# Altium PCB Radxa CM5 IO Board v2200.PcbDoc (part 4 of 8)
Units mil, origin at the board's own origin, x right, y up, seen from the top; angles counter-clockwise.
Board outline 6299.61 x 3544.09 mil, 4 copper layers (Top, GND, Power, Bottom), stack 35.4 mil thick; 482 components, 404 nets, 1857 pads, 2731 vias.
Unrouted connection lines stored in the file: 1872.
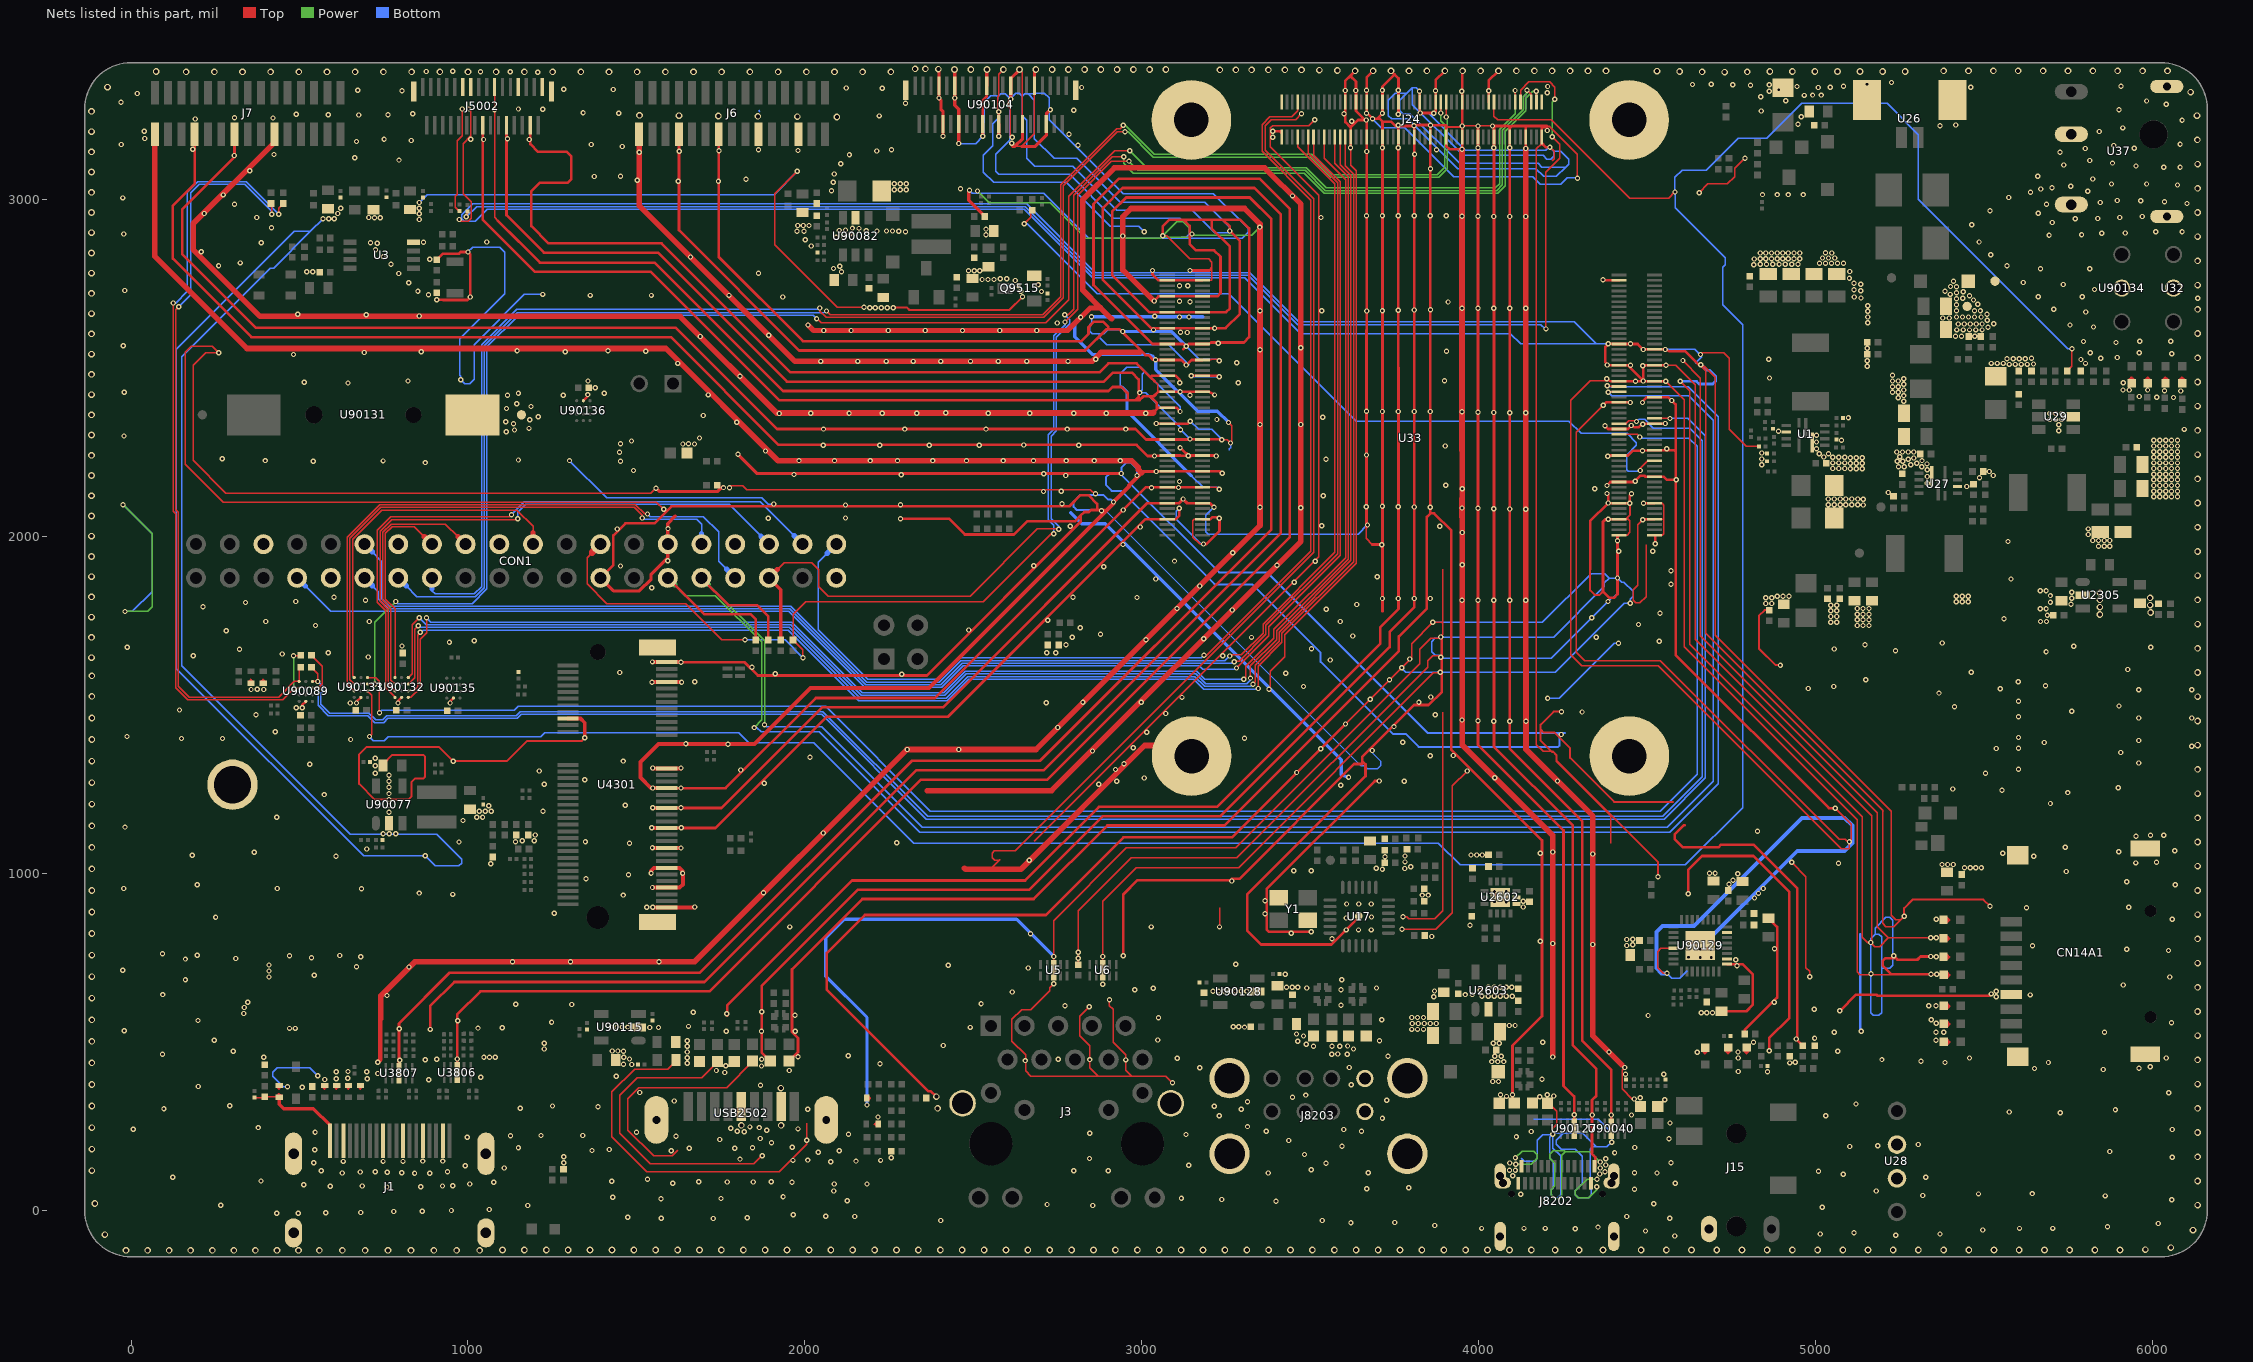
[diagram p5: the nets of this part, all layers, seen from the top]

## Via types
v1: diameter 15.75, hole 7.87, Top to Bottom, 2292 vias
v2: diameter 19.68, hole 11.81, Top to Bottom, 439 vias

## Nets (pads, with @x,y where several pads share a name; then routed paths per layer and width w, separated by ;. In a path a pad name is that pad's centre, name@x,y a point inside that pad or via, vN(x,y) a via of type N, cw(c..) or ccw(c..) an arc to the next point about the centre after c; other vN are vias at no path point) (continued)
GND: (continued)
  other v1: 4580.71,-76.77 5237.2,-74.8 5012.8,-70.87 5368.11,-70.87 5113.19,-66.93 4494.09,-62.01 5495.08,-59.06 4285.43,-55.12 4007.87,-54.13 4133.86,-54.13 4196.85,-54.13 5604.33,-54.13 5702.76,-54.13 4353.35,-50.2 5865.16,-49.21 3869.09,-45.28 6015.75,-39.37 3620.08,-37.4 3750,-36.42 2402.56,-30.51 3535.43,-30.51 1727.36,-24.61 1573.82,-23.62 4565.94,-23.62 1828.74,-22.64 1474.41,-20.67 2147.64,-18.7 4438.98,-18.7 2062.01,-17.72 1965.55,-13.78 432.09,-8.86 496.06,-8.86 577.76,-7.87 682.09,-6.89 779.53,-3.94 864.17,-2.95 950.79,-0.98 1062.99,1.97 5018.7,8.86 1177.17,13.78 2854.33,13.78 266.73,14.76 2718.5,16.73 4518.7,18.7 3397.64,26.57 2125,27.56 6056.1,30.51 3237.2,31.5 1572.83,33.46 1750.98,34.45 3117.13,35.43 1429.13,38.39 1935.04,39.37 5858.27,42.32 5316.93,43.31 4124.02,47.24 5482.28,48.23 5641.73,49.21 2085.63,57.09 5179.13,57.09 4461.61,62.01 3667.32,63.98 3791.34,66.93 759.84,68.9 860.24,69.88 591.54,70.87 686.02,71.85 924.21,71.85 954.72,72.83 512.8,75.79 1004.92,77.76 2086.61,77.76 2184.06,77.76 1607.28,79.72 4582.68,79.72 1076.77,82.68 1961.61,82.68 1769.69,83.66 1846.46,83.66 1685.04,84.65 1899.61,84.65 1426.18,85.63 385.83,86.61 1532.48,91.54 124.02,97.44 5325.79,97.44 4100.39,102.36 5080.71,106.3 4358.27,107.28 841.54,109.25 886.81,109.25 626.97,110.24 3375,110.24 4528.54,110.24 803.15,111.22 3671.26,111.22 4461.61,111.22 760.83,112.2 680.12,113.19 724.41,114.17 938.98,114.17 4374.02,114.17 5007.87,115.16 564.96,117.13 2797.24,117.13 2899.61,117.13 4090.55,118.11 4108.27,118.11 3501.97,120.08 1107.28,125 4360.24,125 992.13,131.89 3138.78,132.87 4375.98,133.86 3546.26,138.78 4091.54,139.76 542.32,140.75 1284.45,140.75 4569.88,140.75 2076.77,143.7 629.92,144.68 748.03,144.68 807.09,144.68 866.14,145.67 925.2,145.67 2151.57,145.67 1964.57,147.64 2224.41,147.64 2007.87,148.62 1807.09,151.57 4375.98,152.56 2844.49,153.54 2255.91,155.51 6057.09,157.48 1284.45,158.46 1873.03,161.42 3482.28,165.35 4402.56,170.28 2039.37,172.24 5872.05,174.21 1603.35,176.18 2101.38,176.18 1368.11,177.17 545.28,179.13 1419.29,180.12 1656.5,184.06 1791.34,184.06 1149.61,185.04 1844.49,185.04 4462.6,186.02 1962.6,187.01 5100.39,188.98 3593.5,189.96 5183.07,190.94 5304.13,194.88 1900.59,199.8 3436.02,206.69 2004.92,207.68 1747.05,209.65 4563.98,211.61 1867.13,212.6 998.03,216.54 4111.22,217.52 1617.13,219.49 1125.98,220.47 1216.54,221.46 1340.55,221.46 3130.91,224.41 2128.94,225.39 2845.47,228.35 546.26,231.3 1500,231.3 1819.88,232.28 4155.51,233.27 1799.21,234.25 3369.09,234.25 3651.57,234.25 1886.81,237.2 3598.43,239.17 6057.09,239.17 6.89,240.16 1979.33,241.14 1779.53,243.11 377.95,245.08 1864.17,245.08 1836.61,247.05 3312.99,248.03 4566.93,258.86 3713.58,272.64 2216.54,276.57 3229.33,280.51 5029.53,280.51 4336.61,282.48 4392.72,282.48 4452.76,282.48 4282.48,283.46 5725.39,289.37 5573.82,291.34 5888.78,298.23 2007.87,299.21 3294.29,299.21 97.64,301.18 1155.51,302.17 1385.83,307.09 3214.57,308.07 1250.98,309.06 293.31,310.04 5119.09,314.96 3312.99,321.85 1612.2,323.82 3726.38,325.79 4551.18,327.76 4478.35,333.66 3446.85,334.65 4180.12,336.61 4081.69,337.6 4222.44,338.58 3486.22,341.54 4063.98,342.52 4099.41,342.52 4202.76,342.52 6047.24,348.43 1509.84,349.41 507.87,365.16 199.8,367.13 1868.11,371.06 3621.06,372.05 4041.34,381.89 4058.07,381.89 883.86,386.61 574.8,387.8 4187.01,388.78 609.25,389.76 700.79,389.76 642.72,391.73 1037.4,394.09 1439.96,397.64 4435.04,403.54 4548.23,403.54 732.28,405.51 1761.81,408.46 609.25,410.43 699.8,410.43 4856.3,410.43 643.7,411.42 4769.69,411.42 1737.2,414.37 1953.74,414.37 5852.36,417.32 5648.62,420.28 5958.66,421.26 3171.26,422.24 3615.16,423.23 5992.13,425.2 1764.76,428.15 1870.87,427.95 1486.22,432.09 1461.61,433.07 2222.83,434.65 1650.59,436.02 4922.24,437.01 5382.87,437.99 5689.96,437.99 4938.98,438.98 4038.39,440.94 4056.1,440.94 4073.82,440.94 5312.01,441.93 2653.54,443.9 797.24,444.88 873.23,446.06 2951.77,445.87 2845.47,446.85 5195.87,446.85 907.48,447.83 1871.26,448.03 2751.97,447.83 968.5,448.82 1479.33,448.82 3104.33,450.79 4769.69,451.77 5455.71,451.77 6039.37,451.77 1650.59,452.76 393.7,453.74 1047.24,453.74 1063.98,453.74 1080.71,453.74 1462.6,453.74 4219.49,454.72 1979.33,455.71 3730.31,456.69 4047.24,456.69 4065.94,456.69 2128.74,457.87 93.5,462.6 3562.99,462.6 3609.25,462.6 3580.71,463.58 4647.64,468.5 1650.59,469.49 4385.83,469.49 4768.7,469.49 303.15,471.46 1461.61,471.46 5064.96,471.46 1428.15,472.44 1444.88,472.44 1226.38,478.35 3627.95,478.35 1650.59,486.22 3508.86,486.22 3563.98,486.22 3586.61,486.22 3610.24,487.2 2410.24,488.58 3487.2,492.13 1226.38,495.08 4042.32,495.08 4060.04,495.08 4188.98,498.03 4814.96,498.03 3462.6,500.98 1650.59,502.95 3704.72,502.95 247.05,503.94 5356.3,503.94 3047.24,504.92 4941.93,507.87 4996.06,509.84 3479.33,516.73 3458.66,522.64 5054.13,527.56 5356.3,527.56 5378.94,527.56 5856.3,527.56 1766.73,530.51 1871.06,530.51 1971.46,530.51 -19.69,532.48 3800.2,536.42 3817.91,536.42 3835.63,536.42 796.26,538.39 470.47,539.37 487.2,539.37 1029.53,540.35 1101.38,541.34 1539.76,542.13 1565.35,542.13 2490.16,542.32 1424.21,543.31 1440.94,543.31 1457.68,543.31 1474.41,543.31 3304.13,543.31 3270.67,544.29 3287.4,544.29 1654.53,545.28 4089.57,548.23 4107.28,548.23 3802.17,554.13 3819.88,554.13 3837.6,554.13 3855.31,554.13 3873.03,554.13 5357.28,555.12 6055.12,556.1 1248.03,558.07 969.49,562.01 198.82,562.99 3711.61,564.96 5342.52,564.96 3049.21,570.87 3800.2,571.85 3817.91,571.85 3835.63,571.85 4501.97,577.76 1970.47,578.74 1767.72,582.68 334.65,583.66 4659.45,585.63 4676.18,585.63 4692.91,585.63 1668.31,587.6 1872.05,588.58 4995.08,596.46 335.63,601.38 2771.65,606.3 5334.65,606.3 5356.3,606.3 3590.55,608.27 1308.07,610.24 1141.73,611.22 2522.64,612.2 346.46,617.13 4875.98,617.13 3866.14,632.87 5535.43,632.87 4008.86,634.84 4027.56,634.84 4045.28,634.84 4062.99,634.84 4080.71,634.84 4098.43,634.84 759.84,636.81 5635.83,638.78 94.49,639.76 3959.65,639.76 3980.31,639.76 2615.16,647.64 3210.63,649.61 3227.36,649.61 3244.09,649.61 3260.83,649.61 3277.56,649.61 3294.29,649.61 3311.02,649.61 5535.43,649.61 3868.11,650.59 4003.94,652.56 2978.35,654.53 3590.55,654.53 3033.07,658.27 3489.17,659.45 3695.87,659.45 3429.13,661.42 3445.87,661.42 3462.6,661.42 4027.56,661.42 4045.28,661.42 4062.99,661.42 4080.71,661.42 4097.44,661.42 5912.4,668.31 2883.86,670.47 161.42,684.06 3592.52,684.06 409.45,691.93 6050.2,691.93 543.31,696.85 3425.2,699.8 5358.27,699.8 5163.39,701.77 409.45,709.65 -24.61,711.61 2662.4,718.5 824.8,721.46 669.29,722.44 4765.75,725.39 409.45,727.36 2425.59,726.77 3278.54,729.33 1131.89,737.2 1304.13,737.2 1566.93,737.2 4761.81,743.11 161.42,745.08 311.02,747.05 2811.02,748.03 535.43,749.02 4656.5,750 4688.98,750 682.09,751.97 5357.28,751.97 2883.86,752.95 470.47,754.92 5231.3,754.92 619.09,755.91 196.85,756.89 93.5,760.83 2811.02,765.75 6046.26,770.67 4656.5,774.61 4687.99,774.61 5922.24,774.61 4622.05,775.59 4876.97,775.59 5642.72,784.45 4438.98,785.43 4456.69,787.4 4337.6,788.39 4219.49,791.34 4182.09,798.23 4438.98,803.15 4456.69,804.13 3563.98,805.12 5357.28,808.07 3860.24,812.01 2669.29,819.88 3442.91,821.85 3606.3,831.69 3642.72,831.69 3680.12,831.69 1954.72,840.55 3027.56,840.55 3973.43,845.47 5357.28,863.19 6057.09,863.19 3606.3,867.13 250.98,869.09 3681.1,870.08 3365.16,879.92 1255.91,880.91 5625,897.64 1530.51,898.62 5928.15,898.62 4131.89,899.61 3607.28,908.46 3643.7,908.46 3680.12,908.46 4080.71,914.37 4046.26,915.35 4131.89,916.34 3365.16,918.31 4817.91,926.18 1460.63,935.04 3831.69,935.04 3849.41,935.04 954.72,937.01 4829.72,939.96 855.31,940.94 1876.97,941.93 4046.26,945.87 4080.71,945.87 684.06,953.74 -21.65,954.72 434.06,954.72 4843.5,954.72 196.85,965.55 6065.94,965.55 4742.13,967.52 5922.24,974.41 4753.94,979.33 1350.39,983.27 1476.38,995.08 4767.72,998.03 4684.06,1000 4700.79,1000 5743.11,1004.92 3450.79,1006.89 3501.97,1006.89 3713.58,1011.81 3779.53,1013.78 3694.88,1014.76 5440.94,1015.75 5457.68,1015.75 5474.41,1015.75 5491.14,1015.75 3797.24,1018.7 5374.02,1025.59 5390.75,1025.59 5407.48,1025.59 1067.91,1027.56 5066.93,1029.53 5948.82,1030.51 6010.83,1032.48 3780.51,1033.46 2665.35,1038.39 3721.46,1049.21 608.27,1050.2 5646.65,1050.2 3780.51,1051.18 182.09,1053.15 3976.38,1054.13 3993.11,1054.13 4009.84,1054.13 4337.6,1057.09 4182.09,1059.06 5554.13,1059.06 366.14,1062.01 4219.49,1062.99 5898.62,1063.98 6064.96,1066.93 699.8,1071.85 5740.16,1076.77 1479.33,1088.58 2272.64,1090.55 973.43,1092.52 1140.75,1093.5 1348.43,1093.5 5099.41,1093.5 1161.42,1096.46 1196.85,1096.46 5949.8,1109.25 5993.11,1112.2 6032.48,1112.2 1199.8,1113.19 748.03,1117.13 766.73,1117.13 785.43,1117.13 2054.13,1119.09 4826.77,1124.02 1632.87,1134.84 -17.72,1136.81 985.24,1156.5 432.09,1166.34 1025.59,1166.34 1043.31,1166.34 765.75,1181.1 1033.46,1184.06 1051.18,1184.06 1068.9,1184.06 1222.44,1184.06 1631.89,1193.9 1062.01,1199.8 765.75,1200.79 1466.54,1201.77 5695.87,1206.69 573.82,1233.27 765.75,1236.22 5747.05,1239.17 5552.17,1246.06 5406.5,1250 1631.89,1252.95 5897.64,1253.94 765.75,1254.92 3589.57,1260.83 2871.54,1263.53 1226.38,1263.78 1878.94,1266.73 765.75,1272.64 2925.2,1272.64 3778.54,1272.64 4233.27,1273.62 1346.46,1277.56 3006.89,1282.48 4047.24,1283.46 765.75,1290.35 724.41,1296.26 5503.15,1296.46 3458.87,1298.99 1211.61,1303.15 1809.06,1306.1 2921.53,1307.83 5601.38,1308.07 724.41,1318.9 530.51,1322.83 2946.85,1324.8 5957.68,1326.77 1460.63,1332.68 724.41,1341.54 2014.76,1344.49 3855.31,1348.43 3924.21,1349.41 5904.53,1358.27 2853.13,1362.48 2303.15,1367.13 2456.69,1367.13 3530.7,1369.52 5535.43,1370.08 5601.38,1371.06 2974.13,1371.95 6115.16,1376.97 1771.65,1382.87 1646.65,1383.86 5677.17,1387.8 3773.62,1388.78 5957.68,1393.7 651.57,1396.65 149.61,1399.61 271.65,1399.61 3304.13,1400.59 5601.38,1402.56 -11.81,1405.51 4244.09,1411.42 3014.64,1418.58 428.15,1419.29 2750.04,1432.18 3748.03,1435.04 4044.29,1450.79 4091.54,1450.79 3997.05,1452.76 3949.8,1454.72 5957.68,1460.63 6115.16,1460.63 5601.38,1464.57 371.06,1470.47 3870.08,1470.47 3070.75,1473.81 4306.1,1478.35 5758.86,1480.31 143.7,1484.25 490.16,1491.14 5411.42,1494.09 5899.61,1496.06 650.59,1504.92 2715.55,1505.91 2824.8,1506.89 2998.18,1507.53 3821.91,1507.23 5601.38,1509.84 3677.41,1516.57 3118.84,1521.61 3857.28,1522.64 5365.16,1534.45 5957.68,1544.29 6115.16,1544.29 356.3,1545.28 393.7,1545.28 375,1546.26 3376.97,1546.26 5547.24,1547.24 4977.36,1548.23 3479.33,1554.13 5053.15,1554.13 5681.1,1556.1 1673.23,1568.11 5600.39,1567.91 3734.61,1574.03 5147.64,1573.82 2287.4,1590.55 1912.2,1592.13 3427.17,1593.5 1450,1595.67 5460.63,1596.46 5925.2,1604.33 1842.91,1611.42 3559.06,1632.87 3794.31,1635.56 703.74,1641.73 185.04,1645.67 3239.75,1645.45 448.82,1650.59 585.63,1654.53 2717.52,1654.53 2744.09,1654.53 5683.07,1657.48 5236.22,1660.43 321.85,1664.37 5054.13,1665.35 3502.95,1666.34 -10.83,1670.28 5994.09,1670.28 5764.76,1673.23 804.13,1674.21 2774.61,1678.15 5145.67,1678.15 5375,1683.07 944.88,1685.04 4535.43,1687.99 1018.7,1689.96 3011.97,1692.87 3183.14,1695.59 2793.31,1699.8 3325.05,1699.7 4348.43,1699.8 3625.98,1703.74 2876.97,1708.66 282.48,1719.49 2486.22,1721.46 2816.93,1728.35 547.24,1735.24 5123.03,1735.24 5139.76,1735.24 5157.48,1735.24 4473.43,1738.19 5044.29,1745.08 5062.01,1745.08 399.61,1747.05 706.69,1747.05 3588.58,1747.05 5666.34,1747.05 5684.06,1747.05 2720.47,1750.98 5123.03,1751.97 5139.76,1751.97 5157.48,1751.97 5558.07,1754.92 4334.65,1757.87 5044.29,1761.81 5062.01,1761.81 5687.01,1765.75 5123.03,1768.7 5139.76,1768.7 5157.48,1768.7 4537.4,1771.65 5044.29,1778.54 5062.01,1778.54 3268.12,1780.89 3547.24,1783.46 5665.35,1784.45 5683.07,1784.45 3104.13,1785.67 5123.03,1785.43 5139.76,1785.43 5157.48,1785.43 213.58,1790.35 5044.29,1795.28 5062.01,1795.28 3637.8,1797.24 5756.89,1798.23 4851.38,1800.2 4869.09,1800.2 339.57,1803.15 5695.87,1804.13 5416.34,1805.12 5434.06,1805.12 5451.77,1805.12 489.17,1806.1 695.87,1810.04 3949.8,1810.04 3997.05,1810.04 4044.29,1810.04 4091.54,1810.04 3713.58,1814.96 3760.83,1814.96 3808.07,1814.96 3855.31,1814.96 5758.86,1815.94 4851.38,1816.93 4869.09,1816.93 2985.24,1817.91 602.36,1818.9 2795.28,1818.9 4884.84,1821.85 4902.56,1821.85 4920.28,1821.85 5416.34,1821.85 5434.06,1821.85 5451.77,1821.85 5695.87,1823.82 5758.86,1833.66 5665.35,1838.58 5683.07,1838.58 1545.28,1847.44 3171.26,1852.36 4569.88,1857.28 3451.6,1863.58 3041.34,1873.03 5578.74,1873.03 3697.83,1879.92 4569.88,1897.64 2886.81,1909.45 1452.76,1911.42 2679.13,1912.4 3400.61,1913.79 3514.56,1925.37 3096.46,1926.18 1592.52,1927.17 3269.79,1950.83 4415.35,1955.71 4515.75,1955.71 5838.58,1970.47 5855.31,1970.47 5872.05,1970.47 2943.9,1975.39 5569.88,1984.25 5821.85,1987.2 5838.58,1987.2 5855.31,1987.2 5872.05,1987.2 5808.07,2004.92 1442.91,2021.26 5808.07,2021.65 1593.5,2022.64 2995.08,2027.56 2787.4,2029.53 3883.86,2029.53 3533.46,2031.5 1890.75,2053.15 2120.08,2054.13 2879.92,2075.79 2944.88,2077.76 4044.29,2081.69 4091.54,2080.71 3997.05,2082.68 3471.46,2084.65 3350.39,2085.63 3855.31,2085.63 3808.07,2086.61 3665.35,2087.6 3760.83,2087.6 3713.58,2088.58 2120.08,2092.52 5140.75,2092.52 2283.46,2093.5 5036.42,2093.5 5054.13,2093.5 5071.85,2093.5 5088.58,2093.5 5106.3,2093.5 5124.02,2093.5 2762.8,2096.46 5140.75,2109.25 5036.42,2110.24 5054.13,2110.24 5071.85,2110.24 5088.58,2110.24 5106.3,2110.24 5124.02,2110.24 6002.95,2117.13 6020.67,2117.13 6038.39,2117.13 6055.12,2117.13 6072.83,2117.13 3538.39,2120.08 4379.92,2126.97 5214.57,2129.92 2707.68,2132.87 2760.24,2133.86 6002.95,2133.86 6020.67,2133.86 6038.39,2133.86 6055.12,2133.86 6072.83,2133.86 4343.5,2140.75 3028.54,2143.7 5447.83,2147.64 6002.95,2150.59 6020.67,2150.59 6038.39,2150.59 6055.12,2150.59 6072.83,2150.59 3901.57,2151.57 5330.71,2157.48 3111.22,2162.4 6002.95,2167.32 6020.67,2167.32 6038.39,2167.32 6055.12,2167.32 6072.83,2167.32 5485.24,2173.23 5330.71,2177.17 2773.62,2180.12 5526.57,2180.12 2285.43,2182.09 1967.52,2183.07 6002.95,2184.06 6020.67,2184.06 6038.39,2184.06 6055.12,2184.06 6072.83,2184.06 2708.66,2185.04 5514.76,2191.93 1491.14,2194.88 5330.71,2196.85 5102.36,2199.8 5120.08,2199.8 5137.8,2199.8 5050.2,2200.79 5067.91,2200.79 5085.63,2200.79 6002.95,2200.79 6020.67,2200.79 6038.39,2200.79 6055.12,2200.79 6072.83,2200.79 5245.08,2205.71 5261.81,2205.71 5313.98,2205.71 4839.57,2211.61 5281.5,2211.61 5329.72,2214.57 5102.36,2216.54 5120.08,2216.54 5137.8,2216.54 5299.21,2216.54 5050.2,2217.52 5067.91,2217.52 5085.63,2217.52 6002.95,2217.52 6020.67,2217.52 6038.39,2217.52 6055.12,2217.52 6072.83,2217.52 873.03,2218.5 540.35,2222.44 1452.76,2222.44 5241.14,2222.44 5257.87,2222.44 748.03,2223.43 398.62,2224.41 1982.28,2224.41 2087.6,2224.41 2193.9,2224.41 2274.61,2224.41 2378.94,2224.41 2479.33,2224.41 2588.58,2224.41 2678.15,2224.41 2775.59,2224.41 2858.27,2224.41 2936.02,2224.41 5314.96,2224.41 1149.61,2226.38 3546.26,2228.35 5273.62,2228.35 4839.57,2229.33 270.67,2230.31 5290.35,2232.28 5102.36,2233.27 5120.08,2233.27 5137.8,2233.27 5050.2,2234.25 5067.91,2234.25 5085.63,2234.25 6002.95,2234.25 6020.67,2234.25 6038.39,2234.25 6055.12,2234.25 6072.83,2234.25 5023.62,2235.24 5249.02,2236.22 3666.34,2241.14 5009.84,2245.08 5037.4,2245.08 4839.57,2247.05 1449.8,2249.02 5240.16,2250 5256.89,2250 5273.62,2250 5290.35,2250 6002.95,2250.98 6020.67,2250.98 6038.39,2250.98 6055.12,2250.98 6072.83,2250.98 1882.87,2252.95 4557.09,2259.84 5001.97,2259.84 3899.61,2267.72 6002.95,2267.72 6020.67,2267.72 6038.39,2267.72 6055.12,2267.72 6072.83,2267.72 2054.13,2269.68 2221.46,2269.68 2369.09,2269.68 2516.73,2269.68 2812.01,2269.68 2649.61,2270.87 1637.8,2273.62 1672.24,2273.62 1452.76,2274.61 1654.53,2274.61 5001.97,2279.53 1485.24,2282.48 5075.79,2284.45 6002.95,2284.45 6020.67,2284.45 6038.39,2284.45 6055.12,2284.45 6072.83,2284.45 1687.01,2291.34 -20.67,2297.24 5001.97,2299.21 1113.19,2310.04 4888.78,2311.02 5720.47,2312.99 1137.8,2314.96 6093.5,2316.93 2055.12,2317.91 2296.26,2317.91 2537.4,2317.91 2778.54,2317.91 2951.77,2317.91 1181.1,2319.88 3350.39,2331.69 3471.46,2331.69 5720.47,2330.71 1134.84,2333.66 1797.24,2338.58 1112.2,2339.57 1183.07,2345.47 3222.44,2346.46 5693.9,2346.46 5711.61,2346.46 5729.33,2346.46 5096.46,2351.38 3536.42,2353.35 1208.66,2354.33 1697.83,2358.27 1923.23,2364.17 5693.9,2364.17 5711.61,2364.17 5729.33,2364.17 2016.73,2365.16 2130.91,2365.16 2229.33,2365.16 2331.69,2365.16 2544.29,2365.16 2667.32,2365.16 2797.24,2365.16 3010.83,2365.16 2417.32,2366.14 4091.54,2366.14 4044.29,2367.13 3997.05,2368.11 3713.58,2370.08 3760.83,2370.08 3808.07,2370.08 3855.31,2370.08 3666.34,2371.06 1114.17,2378.94 1187.01,2384.84 1144.69,2392.72 5260.83,2400.59 5244.09,2410.43 6061.02,2411.42 6011.81,2412.4 5959.65,2414.37 5260.83,2417.32 1117.13,2418.31 1282.48,2418.31 3142.72,2418.31 1712.6,2419.29 1149.61,2424.21 1404.53,2424.21 -19.69,2427.17 5227.36,2427.17 5244.09,2427.17 6082.68,2431.1 6034.45,2432.09 5260.83,2434.06 5911.42,2434.06 5930.12,2434.06 5984.25,2434.06 1377.95,2440.94 5227.36,2443.9 5244.09,2443.9 5260.83,2450.79 643.7,2454.72 513.78,2456.69 3285.43,2455.71 5912.4,2455.71 4464.57,2459.65 821.85,2460.63 1356.3,2460.63 5227.36,2460.63 5244.09,2460.63 3897.64,2461.61 5260.83,2467.52 4862.2,2469.49 1807.09,2474.41 5227.36,2477.36 5152.56,2503.94 4486.22,2505.91 4449.8,2506.89 4380.91,2507.87 5573.82,2509.84 5591.54,2509.84 5609.25,2509.84 5626.97,2509.84 5645.67,2510.83 1622.05,2512.8 5520.67,2512.8 5538.39,2512.8 5556.1,2512.8 5800.2,2512.8 3281.5,2514.76 2047.24,2518.7 2156.5,2518.7 2241.14,2518.7 2320.87,2518.7 2402.56,2518.7 2491.14,2518.7 2573.82,2518.7 2658.46,2518.7 2780.51,2518.7 5152.56,2520.67 5786.42,2524.61 2863.19,2525.59 4860.24,2525.59 5566.93,2526.57 5585.63,2526.57 5603.35,2526.57 5621.06,2526.57 5639.76,2528.54 5845.47,2528.54 5894.69,2530.51 482.28,2539.37 6056.1,2541.34 5813.98,2544.29 5959.65,2544.29 691.93,2545.28 861.22,2547.24 1288.39,2547.24 1527.56,2549.21 3903.54,2549.21 1145.67,2550.2 1415.35,2550.2 3350.39,2553.15 5152.56,2558.07 3471.46,2559.06 -22.64,2564.96 4449.8,2570.87 3226.38,2572.83 5890.75,2574.8 5794.29,2577.76 5960.63,2578.74 6053.15,2578.74 1688.98,2592.52 5414.37,2593.5 5432.09,2593.5 5471.46,2593.5 1892.72,2596.46 3134.84,2604.33 3114.17,2605.31 2056.1,2610.24 2136.81,2610.24 2247.05,2610.24 2357.28,2610.24 2467.52,2610.24 2577.76,2610.24 2687.99,2610.24 5418.31,2612.2 5437.01,2612.2 5455.71,2612.2 5474.41,2612.2 5493.11,2612.2 3215.55,2617.13 5510.83,2620.08 5823.82,2621.06 5753.94,2626.97 5422.24,2629.92 5439.96,2629.92 5457.68,2629.92 5475.39,2629.92 5493.11,2629.92 5527.56,2630.91 2749.02,2632.87 5153.54,2633.86 5508.86,2640.75 5375.98,2647.64 5395.67,2647.64 3111.22,2650.59 3139.76,2650.59 5153.54,2650.59 5417.32,2650.59 5435.04,2650.59 5452.76,2650.59 5470.47,2650.59 5490.16,2650.59 3038.39,2652.56 855.31,2653.54 697.83,2657.48 495.08,2658.46 5507.87,2658.46 5801.18,2665.35 5153.54,2667.32 3667.32,2668.31 3350.39,2669.29 3533.46,2669.29 3713.58,2669.29 5417.32,2669.29 5470.47,2669.29 5488.19,2669.29 3760.83,2670.28 3808.07,2671.26 3856.3,2672.24 5705.71,2673.23 3997.05,2676.18 4044.29,2676.18 4091.54,2676.18 2191.93,2678.15 2208.66,2678.15 2226.38,2678.15 2244.09,2678.15 5153.54,2684.06 5417.32,2687.01 5480.31,2687.99 3908.46,2694.88 3142.72,2695.87 3111.22,2696.85 5467.52,2700.79 5417.32,2704.72 5133.86,2706.69 5436.02,2705.71 6132.87,2705.71 1934.06,2709.65 5114.17,2709.65 5659.45,2710.63 5790.35,2710.63 5455.71,2713.58 1363.19,2714.57 1544.29,2714.57 1774.61,2714.57 882.87,2716.54 5398.62,2717.52 5417.32,2722.44 5437.01,2725.39 2701.77,2726.38 851.38,2727.36 2640.75,2727.36 5382.87,2727.36 5132.87,2728.35 -18.7,2729.33 5113.19,2731.3 5826.77,2732.28 5417.32,2740.16 5399.61,2741.14 2631.89,2743.11 3111.22,2743.11 3135.83,2743.11 2691.93,2746.06 5734.25,2747.05 5132.87,2748.03 5113.19,2750.98 823.82,2751.97 5615.16,2752.95 5408.46,2756.89 2624.02,2758.86 2525.59,2761.81 2543.31,2761.81 2561.02,2761.81 2579.72,2763.78 2598.43,2763.78 5099.41,2765.75 794.29,2779.53 1862.2,2780.51 521.65,2784.45 539.37,2784.45 2108.27,2784.45 5100.39,2785.43 